# Allegro board 8880F5-0825_4.brd (continued)
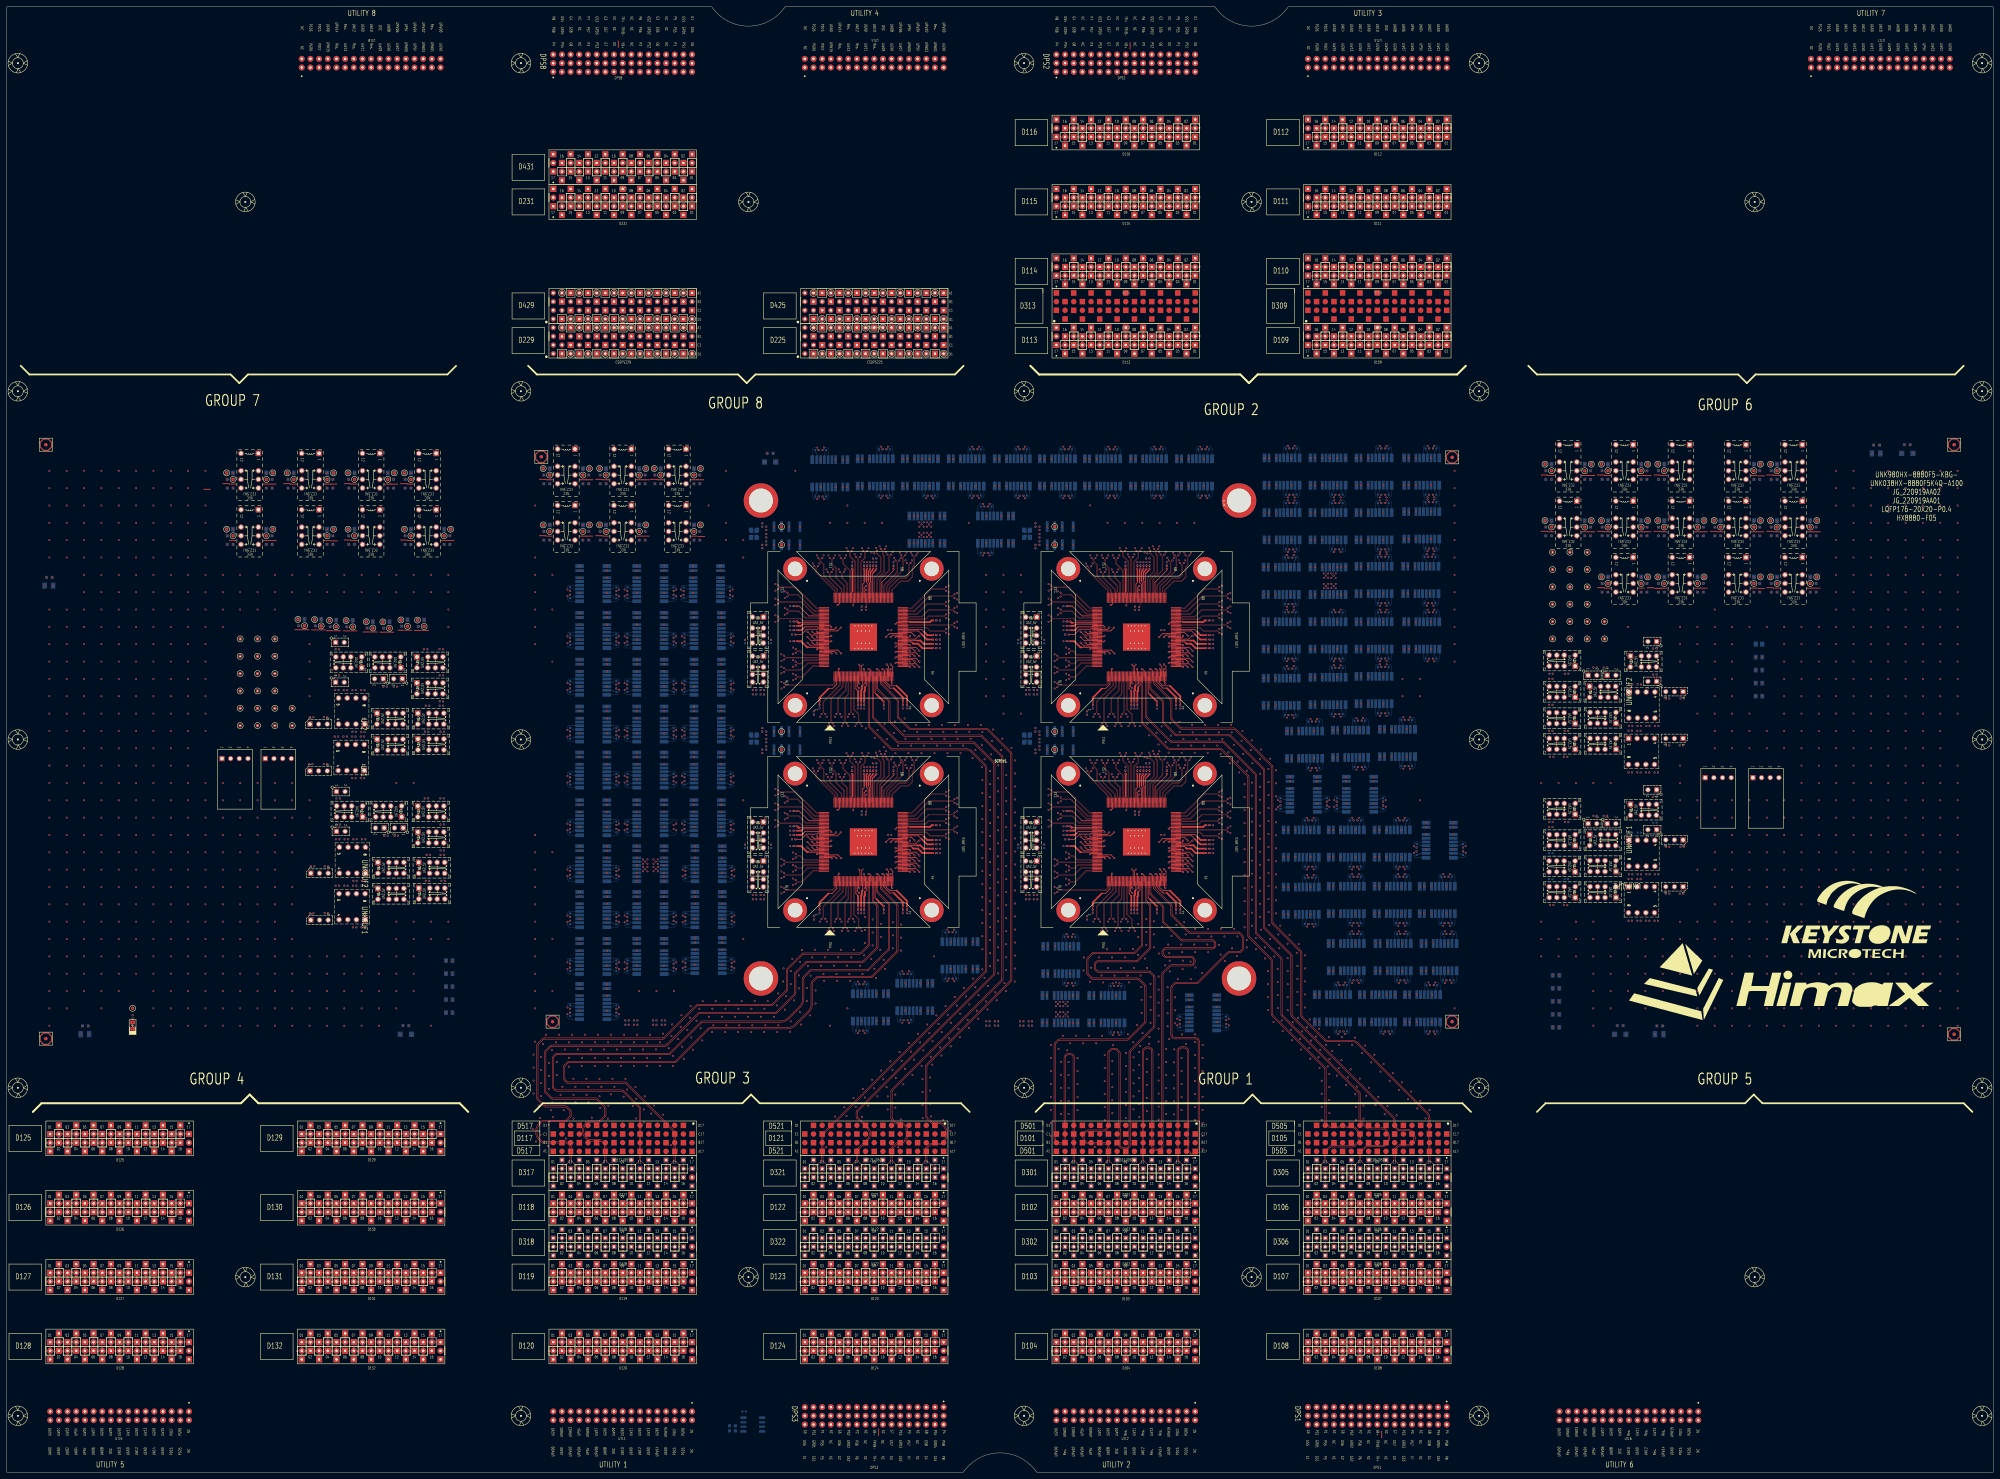
[diagram p0: board, top side]
## Routing (per net, layer and track width the routed paths; a pad name or vN(x,y) marks a point on that pad's centre or on a via; arc(x,y) is an arc through that point) (continued)
; D302.B3 311.71,68.58 ; D302.B3 312.42,67.87 ; SITE1.G10 251.33,248.41 ; SITE1.G10 251.81,247.93 ; SITE1.G10 250.85,247.93 ; SITE1.G10 251.33,247.45 ; D306.A8 398.78,66.75 ; D306.A8 399.49,66.04 ; D306.A8 398.07,66.04 ; D306.A8 398.78,65.33 ; D120.B5 170.99,38.1 ; D120.B5 170.18,38.91 ; D120.B5 169.37,38.1 ; D120.B5 170.18,37.29 ; D321.B16 272.49,91.44 ; D321.B16 271.07,91.44 ; D321.B16 271.78,92.15 ; D321.B16 271.78,90.73 ; D120.A12 187.96,36.37 ; D120.A12 187.15,35.56 ; D120.A12 188.77,35.56 ; D120.A12 187.96,34.75 ; 382.83,66.04 D306.A2 ; D306.A2 383.54,65.33 ; D306.A2 383.54,66.75 ; D306.A2 384.25,66.04 ; D124.B5 244.65,38.1 ; D124.B5 243.84,37.29 ; D124.B5 243.84,38.91 ; D124.B5 243.03,38.1 ; 406.4,18.24 DPS1.C11 ; DPS1.C11 405.59,19.05 ; DPS1.C11 406.4,19.86 ; DPS1.C11 407.21,19.05 ; 170.18,88.19 D317.B5 ; D317.B5 170.18,89.61 ; D317.B5 169.47,88.9 ; D317.B5 170.89,88.9 ; 388.62,70.41 D306.B4 ; D306.B4 388.62,71.83 ; D306.B4 387.91,71.12 ; D306.B4 389.33,71.12 ; DPS1.A01 381,14.78 ; DPS1.A01 381,13.16 ; DPS1.A01 380.19,13.97 ; DPS1.A01 381.81,13.97 ; DPS3.A05 243.84,14.78 ; DPS3.A05 243.84,13.16 ; DPS3.A05 244.65,13.97 ; DPS3.A05 243.03,13.97 ; 320.04,39.83 D104.B6 ; D104.B6 319.23,40.64 ; D104.B6 320.85,40.64 ; D104.B6 320.04,41.45 ; 320.04,331.93 D113.A12 ; D113.A12 320.04,333.55 ; D113.A12 319.23,332.74 ; D113.A12 320.85,332.74 ; D127.A6 25.4,56.69 ; D127.A6 25.4,55.07 ; D127.A6 26.21,55.88 ; D127.A6 24.59,55.88 ; 113.49,101.6 D129.B12 ; D129.B12 115.11,101.6 ; D129.B12 114.3,102.41 ; D129.B12 114.3,100.79 ; 255.83,91.44 D321.B10 ; D321.B10 256.54,92.15 ; D321.B10 257.25,91.44 ; D321.B10 256.54,90.73 ; 194.77,381 D431.B3 ; D431.B3 195.58,381.81 ; D431.B3 195.58,380.19 ; D431.B3 196.39,381 ; D119.A3 165.1,54.15 ; D119.A3 165.91,53.34 ; D119.A3 164.29,53.34 ; D119.A3 165.1,52.53 ; 396.24,334.47 D109.A11 ; D109.A11 396.24,336.09 ; D109.A11 395.43,335.28 ; D109.A11 397.05,335.28 ; D128.A16 50.8,36.37 ; D128.A16 51.61,35.56 ; D128.A16 49.99,35.56 ; D128.A16 50.8,34.75 ; D132.B4 93.98,41.45 ; D132.B4 93.17,40.64 ; D132.B4 94.79,40.64 ; D132.B4 93.98,39.83 ; 332.63,242.35 SITE2.G16 ; SITE2.G16 332.63,243.31 ; SITE2.G16 333.11,242.83 ; SITE2.G16 332.15,242.83 ; D120.B6 173.53,40.64 ; D120.B6 172.72,41.45 ; D120.B6 172.72,39.83 ; D120.B6 171.91,40.64 ; 161.75,378.46 D431.B16 ; D431.B16 163.37,378.46 ; D431.B16 162.56,377.65 ; D431.B16 162.56,379.27 ; 347.17,330.2 D113.B1 ; D113.B1 348.79,330.2 ; D113.B1 347.98,331.01 ; D113.B1 347.98,329.39 ; 263.35,38.1 D124.B13 ; D124.B13 264.16,37.29 ; D124.B13 264.16,38.91 ; D124.B13 264.97,38.1 ; D317.A13 191.21,83.82 ; D317.A13 189.79,83.82 ; D317.A13 190.5,83.11 ; D317.A13 190.5,84.53 ; D103.A7 322.58,54.15 ; D103.A7 322.58,52.53 ; D103.A7 321.77,53.34 ; D103.A7 323.39,53.34 ; D111.A2 419.1,374.19 ; D111.A2 419.91,373.38 ; D111.A2 418.29,373.38 ; D111.A2 419.1,372.57 ; 164.39,83.82 D317.A3 ; D317.A3 165.81,83.82 ; D317.A3 165.1,84.53 ; D317.A3 165.1,83.11 ; D231.A12 173.53,373.38 ; D231.A12 171.91,373.38 ; D231.A12 172.72,374.19 ; D231.A12 172.72,372.57 ; 248.92,32.21 D124.A7 ; D124.A7 248.11,33.02 ; D124.A7 249.73,33.02 ; D124.A7 248.92,33.83 ; D132.B11 112.57,38.1 ; D132.B11 111.76,37.29 ; D132.B11 111.76,38.91 ; D132.B11 110.95,38.1 ; D113.A15 312.42,336.09 ; D113.A15 313.23,335.28 ; D113.A15 312.42,334.47 ; D113.A15 311.61,335.28 ; D111.A16 384.35,373.38 ; D111.A16 382.73,373.38 ; D111.A16 383.54,372.57 ; D111.A16 383.54,374.19 ; D231.A4 193.04,374.19 ; D231.A4 192.23,373.38 ; D231.A4 193.85,373.38 ; D231.A4 193.04,372.57 ; 250.23,245.95 SITE1.G18 ; SITE1.G18 250.23,246.91 ; SITE1.G18 250.71,246.43 ; SITE1.G18 249.75,246.43 ; D125.A3 18.59,93.98 ; D125.A3 16.97,93.98 ; D125.A3 17.78,93.17 ; D125.A3 17.78,94.79 ; 169.47,83.82 D317.A5 ; D317.A5 170.89,83.82 ; D317.A5 170.18,83.11 ; D317.A5 170.18,84.53 ; D132.A8 104.14,36.37 ; D132.A8 103.33,35.56 ; D132.A8 104.95,35.56 ; D132.A8 104.14,34.75 ; SITE1.G11 252.81,247.93 ; SITE1.G11 251.85,247.93 ; SITE1.G11 252.33,247.45 ; SITE1.G11 252.33,248.41 ; 337.82,329.39 D113.B5 ; D113.B5 337.01,330.2 ; D113.B5 338.63,330.2 ; D113.B5 337.82,331.01 ; 268.43,340.36 CSDPS425.C3 ; CSDPS425.C3 269.24,339.55 ; CSDPS425.C3 270.05,340.36 ; CSDPS425.C3 269.24,341.17 ; 383.54,90.73 D305.B2 ; D305.B2 382.83,91.44 ; D305.B2 383.54,92.15 ; D305.B2 384.25,91.44 ; D231.A6 188.77,373.38 ; D231.A6 187.96,374.19 ; D231.A6 187.96,372.57 ; D231.A6 187.15,373.38 ; D103.B4 315.77,60.96 ; D103.B4 314.96,60.15 ; D103.B4 314.15,60.96 ; D103.B4 314.96,61.77 ; 193.04,65.33 D318.A14 ; D318.A14 193.75,66.04 ; D318.A14 192.33,66.04 ; D318.A14 193.04,66.75 ; D116.B4 341.17,388.62 ; D116.B4 340.36,387.81 ; D116.B4 339.55,388.62 ; D116.B4 340.36,389.43 ; 316.69,33.02 D104.A5 ; D104.A5 317.5,33.83 ; D104.A5 318.31,33.02 ; D104.A5 317.5,32.21 ; SITE2.G6 333.81,241.33 ; SITE2.G6 333.33,241.81 ; SITE2.G6 332.85,241.33 ; SITE2.G6 333.33,240.85 ; 337.01,58.42 D103.B13 ; D103.B13 338.63,58.42 ; D103.B13 337.82,57.61 ; D103.B13 337.82,59.23 ; CSDPS425.B8 257.35,342.9 ; CSDPS425.B8 255.73,342.9 ; CSDPS425.B8 256.54,342.09 ; CSDPS425.B8 256.54,343.71 ; D318.A4 167.64,66.75 ; D318.A4 168.35,66.04 ; D318.A4 167.64,65.33 ; D318.A4 166.93,66.04 ; 187.96,60.15 D119.B12 ; D119.B12 187.15,60.96 ; D119.B12 187.96,61.77 ; D119.B12 188.77,60.96 ; D126.B4 21.13,81.28 ; D126.B4 20.32,82.09 ; D126.B4 20.32,80.47 ; D126.B4 19.51,81.28 ; 314.25,66.04 D302.A4 ; D302.A4 314.96,65.33 ; D302.A4 315.67,66.04 ; D302.A4 314.96,66.75 ; 265.89,55.88 D123.A14 ; D123.A14 266.7,55.07 ; D123.A14 267.51,55.88 ; D123.A14 266.7,56.69 ; 50.8,60.15 D127.B16 ; D127.B16 51.61,60.96 ; D127.B16 49.99,60.96 ; D127.B16 50.8,61.77 ; 248.55,186.43 SITE3.G17 ; SITE3.G17 249.03,185.95 ; SITE3.G17 249.03,186.91 ; SITE3.G17 249.51,186.43 ; D109.A4 414.83,332.74 ; D109.A4 414.02,333.55 ; D109.A4 413.21,332.74 ; D109.A4 414.02,331.93 ; 342.19,68.58 D302.B15 ; D302.B15 343.61,68.58 ; D302.B15 342.9,67.87 ; D302.B15 342.9,69.29 ; 187.96,65.33 D318.A12 ; D318.A12 187.25,66.04 ; D318.A12 188.67,66.04 ; D318.A12 187.96,66.75 ; 253.19,58.42 D123.B9 ; D123.B9 254,57.61 ; D123.B9 254,59.23 ; D123.B9 254.81,58.42 ; D129.B5 97.33,99.06 ; D129.B5 95.71,99.06 ; D129.B5 96.52,99.87 ; D129.B5 96.52,98.25 ; 347.98,395.43 D116.A1 ; D116.A1 347.17,396.24 ; D116.A1 348.79,396.24 ; D116.A1 347.98,397.05 ; 108.41,60.96 D131.B10 ; D131.B10 110.03,60.96 ; D131.B10 109.22,61.77 ; D131.B10 109.22,60.15 ; D321.A9 254,84.53 ; D321.A9 254.71,83.82 ; D321.A9 254,83.11 ; D321.A9 253.29,83.82 ; 34.75,35.56 D128.A10 ; D128.A10 35.56,34.75 ; D128.A10 36.37,35.56 ; D128.A10 35.56,36.37 ; 184.61,370.84 D231.B7 ; D231.B7 186.23,370.84 ; D231.B7 185.42,371.65 ; D231.B7 185.42,370.03 ; D111.B5 412.29,370.84 ; D111.B5 411.48,371.65 ; D111.B5 411.48,370.03 ; D111.B5 410.67,370.84 ; D103.B14 340.36,61.77 ; D103.B14 341.17,60.96 ; D103.B14 340.36,60.15 ; D103.B14 339.55,60.96 ; D122.B5 244.65,78.74 ; D122.B5 243.84,79.55 ; D122.B5 243.84,77.93 ; D122.B5 243.03,78.74 ; 411.48,349.71 D110.B5 ; D110.B5 411.48,351.33 ; D110.B5 410.67,350.52 ; D110.B5 412.29,350.52 ; 12.7,52.53 D127.A1 ; D127.A1 11.89,53.34 ; D127.A1 13.51,53.34 ; D127.A1 12.7,54.15 ; D125.B15 49.07,99.06 ; D125.B15 47.45,99.06 ; D125.B15 48.26,98.25 ; D125.B15 48.26,99.87 ; D302.B7 323.29,68.58 ; D302.B7 322.58,69.29 ; D302.B7 322.58,67.87 ; D302.B7 321.87,68.58 ; D116.B15 312.42,391.97 ; D116.B15 313.23,391.16 ; D116.B15 312.42,390.35 ; D116.B15 311.61,391.16 ; 314.15,35.56 D104.A4 ; D104.A4 314.96,36.37 ; D104.A4 315.77,35.56 ; D104.A4 314.96,34.75 ; D129.A5 96.52,94.79 ; D129.A5 95.71,93.98 ; D129.A5 97.33,93.98 ; D129.A5 96.52,93.17 ; D124.B16 271.78,41.45 ; D124.B16 272.59,40.64 ; D124.B16 270.97,40.64 ; D124.B16 271.78,39.83 ; CSDPS225.B16 236.22,333.55 ; CSDPS225.B16 237.03,332.74 ; CSDPS225.B16 236.22,331.93 ; CSDPS225.B16 235.41,332.74 ; D305.B6 394.41,91.44 ; D305.B6 393.7,90.73 ; D305.B6 393.7,92.15 ; D305.B6 392.99,91.44 ; D119.A11 186.23,53.34 ; D119.A11 184.61,53.34 ; D119.A11 185.42,54.15 ; D119.A11 185.42,52.53 ; 99.06,75.39 D130.A6 ; D130.A6 98.25,76.2 ; D130.A6 99.06,77.01 ; D130.A6 99.87,76.2 ; 331.33,180.85 SITE4.G4 ; SITE4.G4 330.85,181.33 ; SITE4.G4 331.33,181.81 ; SITE4.G4 331.81,181.33 ; D111.B15 386.89,370.84 ; D111.B15 386.08,371.65 ; D111.B15 386.08,370.03 ; D111.B15 385.27,370.84 ; D114.B3 343.71,350.52 ; D114.B3 342.9,349.71 ; D114.B3 342.9,351.33 ; D114.B3 342.09,350.52 ; 261.62,75.39 D122.A12 ; D122.A12 261.62,77.01 ; D122.A12 260.81,76.2 ; D122.A12 262.43,76.2 ; D124.A5 243.84,33.83 ; D124.A5 244.65,33.02 ; D124.A5 243.03,33.02 ; D124.A5 243.84,32.21 ; D128.A14 45.72,36.37 ; D128.A14 45.72,34.75 ; D128.A14 44.91,35.56 ; D128.A14 46.53,35.56 ; D318.B14 193.04,71.83 ; D318.B14 192.33,71.12 ; D318.B14 193.75,71.12 ; D318.B14 193.04,70.41 ; 88.09,101.6 D129.B2 ; D129.B2 89.71,101.6 ; D129.B2 88.9,100.79 ; D129.B2 88.9,102.41 ; 235.41,55.88 D123.A2 ; D123.A2 237.03,55.88 ; D123.A2 236.22,56.69 ; D123.A2 236.22,55.07 ; D113.B14 314.96,328.47 ; D113.B14 314.96,326.85 ; D113.B14 315.77,327.66 ; D113.B14 314.15,327.66 ; 116.03,53.34 D131.A13 ; D131.A13 117.65,53.34 ; D131.A13 116.84,54.15 ; D131.A13 116.84,52.53 ; 241.3,342.09 CSDPS425.B14 ; CSDPS425.B14 242.11,342.9 ; CSDPS425.B14 241.3,343.71 ; CSDPS425.B14 240.49,342.9 ; CSDPS425.C13 244.65,340.36 ; CSDPS425.C13 243.84,341.17 ; CSDPS425.C13 243.03,340.36 ; CSDPS425.C13 243.84,339.55 ; 345.44,85.65 D301.A16 ; D301.A16 344.73,86.36 ; D301.A16 345.44,87.07 ; D301.A16 346.15,86.36 ; D111.A8 404.67,373.38 ; D111.A8 403.86,372.57 ; D111.A8 403.05,373.38 ; D111.A8 403.86,374.19 ; D127.B7 27.94,59.23 ; D127.B7 27.94,57.61 ; D127.B7 28.75,58.42 ; D127.B7 27.13,58.42 ; 345.44,55.07 D103.A16 ; D103.A16 344.63,55.88 ; D103.A16 346.25,55.88 ; D103.A16 345.44,56.69 ; 403.86,387.81 D112.B8 ; D112.B8 403.86,389.43 ; D112.B8 404.67,388.62 ; D112.B8 403.05,388.62 ; D104.B12 335.28,41.45 ; D104.B12 334.47,40.64 ; D104.B12 336.09,40.64 ; D104.B12 335.28,39.83 ; D131.B7 102.41,58.42 ; D131.B7 100.79,58.42 ; D131.B7 101.6,57.61 ; D131.B7 101.6,59.23 ; D131.A5 97.33,53.34 ; D131.A5 95.71,53.34 ; D131.A5 96.52,52.53 ; D131.A5 96.52,54.15 ; D108.B14 414.83,40.64 ; D108.B14 413.21,40.64 ; D108.B14 414.02,41.45 ; D108.B14 414.02,39.83 ; D127.B6 26.21,60.96 ; D127.B6 25.4,61.77 ; D127.B6 24.59,60.96 ; D127.B6 25.4,60.15 ; 161.85,91.44 D317.B2 ; D317.B2 163.27,91.44 ; D317.B2 162.56,90.73 ; D317.B2 162.56,92.15 ; D131.B16 124.46,61.77 ; D131.B16 124.46,60.15 ; D131.B16 123.65,60.96 ; D131.B16 125.27,60.96 ; D126.B8 30.48,82.09 ; D126.B8 31.29,81.28 ; D126.B8 29.67,81.28 ; D126.B8 30.48,80.47 ; D322.B8 251.46,71.83 ; D322.B8 251.46,70.41 ; D322.B8 250.75,71.12 ; D322.B8 252.17,71.12 ; D301.B6 320.04,92.15 ; D301.B6 320.75,91.44 ; D301.B6 320.04,90.73 ; D301.B6 319.33,91.44 ; 189.69,410.21 DPS8.C05 ; DPS8.C05 191.31,410.21 ; DPS8.C05 190.5,411.02 ; DPS8.C05 190.5,409.4 ; D110.A7 407.21,355.6 ; D110.A7 406.4,356.41 ; D110.A7 406.4,354.79 ; D110.A7 405.59,355.6 ; CSDPS429.C1 201.47,340.36 ; CSDPS429.C1 200.66,339.55 ; CSDPS429.C1 199.85,340.36 ; CSDPS429.C1 200.66,341.17 ; D127.B8 30.48,61.77 ; D127.B8 31.29,60.96 ; D127.B8 30.48,60.15 ; D127.B8 29.67,60.96 ; 331.93,330.2 D113.B7 ; D113.B7 333.55,330.2 ; D113.B7 332.74,331.01 ; D113.B7 332.74,329.39 ; 190.5,77.93 D118.B13 ; D118.B13 190.5,79.55 ; D118.B13 191.31,78.74 ; D118.B13 189.69,78.74 ; CSDPS429.B12 173.53,342.9 ; CSDPS429.B12 171.91,342.9 ; CSDPS429.B12 172.72,342.09 ; CSDPS429.B12 172.72,343.71 ; D125.A11 38.1,94.79 ; D125.A11 38.1,93.17 ; D125.A11 37.29,93.98 ; D125.A11 38.91,93.98 ; D132.A1 86.36,33.83 ; D132.A1 86.36,32.21 ; D132.A1 87.17,33.02 ; D132.A1 85.55,33.02 ; 383.54,352.25 D110.A16 ; D110.A16 382.73,353.06 ; D110.A16 384.35,353.06 ; D110.A16 383.54,353.87 ; 121.11,73.66 D130.A15 ; D130.A15 122.73,73.66 ; D130.A15 121.92,72.85 ; D130.A15 121.92,74.47 ; 317.5,57.61 D103.B5 ; D103.B5 318.31,58.42 ; D103.B5 316.69,58.42 ; D103.B5 317.5,59.23 ; 236.22,75.39 D122.A2 ; D122.A2 235.41,76.2 ; D122.A2 237.03,76.2 ; D122.A2 236.22,77.01 ; D322.B12 262.33,71.12 ; D322.B12 261.62,71.83 ; D322.B12 260.91,71.12 ; D322.B12 261.62,70.41 ; 172.72,70.41 D318.B6 ; D318.B6 172.01,71.12 ; D318.B6 173.43,71.12 ; D318.B6 172.72,71.83 ; 406.4,32.21 D108.A11 ; D108.A11 406.4,33.83 ; D108.A11 407.21,33.02 ; D108.A11 405.59,33.02 ; 50.8,100.79 D125.B16 ; D125.B16 50.8,102.41 ; D125.B16 51.61,101.6 ; D125.B16 49.99,101.6 ; 309.07,40.64 D104.B2 ; D104.B2 309.88,39.83 ; D104.B2 310.69,40.64 ; D104.B2 309.88,41.45 ; SITE1.G19 251.91,246.43 ; SITE1.G19 251.43,245.95 ; SITE1.G19 250.95,246.43 ; SITE1.G19 251.43,246.91 ; D305.A8 399.49,86.36 ; D305.A8 398.07,86.36 ; D305.A8 398.78,85.65 ; D305.A8 398.78,87.07 ; 22.86,72.85 D126.A5 ; D126.A5 23.67,73.66 ; D126.A5 22.05,73.66 ; D126.A5 22.86,74.47 ; D131.B13 116.84,59.23 ; D131.B13 116.03,58.42 ; D131.B13 116.84,57.61 ; D131.B13 117.65,58.42 ; D131.A12 115.11,55.88 ; D131.A12 113.49,55.88 ; D131.A12 114.3,56.69 ; D131.A12 114.3,55.07 ; D431.B8 182.88,379.27 ; D431.B8 182.88,377.65 ; D431.B8 182.07,378.46 ; D431.B8 183.69,378.46 ; 19.51,55.88 D127.A4 ; D127.A4 21.13,55.88 ; D127.A4 20.32,56.69 ; D127.A4 20.32,55.07 ; 38.1,32.21 D128.A11 ; D128.A11 38.1,33.83 ; D128.A11 37.29,33.02 ; D128.A11 38.91,33.02 ; 164.29,381 D431.B15 ; D431.B15 165.91,381 ; D431.B15 165.1,381.81 ; D431.B15 165.1,380.19 ; 93.17,81.28 D130.B4 ; D130.B4 93.98,82.09 ; D130.B4 94.79,81.28 ; D130.B4 93.98,80.47 ; 187.96,70.41 D318.B12 ; D318.B12 187.25,71.12 ; D318.B12 187.96,71.83 ; D318.B12 188.67,71.12 ; 418.39,66.04 D306.A16 ; D306.A16 419.1,66.75 ; D306.A16 419.1,65.33 ; D306.A16 419.81,66.04 ; D131.A11 112.57,53.34 ; D131.A11 111.76,52.53 ; D131.A11 110.95,53.34 ; D131.A11 111.76,54.15 ; 182.07,368.3 D231.B8 ; D231.B8 182.88,369.11 ; D231.B8 182.88,367.49 ; D231.B8 183.69,368.3 ; D321.A10 256.54,87.07 ; D321.A10 256.54,85.65 ; D321.A10 257.25,86.36 ; D321.A10 255.83,86.36 ; 187.96,342.09 CSDPS429.B6 ; CSDPS429.B6 187.96,343.71 ; CSDPS429.B6 187.15,342.9 ; CSDPS429.B6 188.77,342.9 ; 197.31,342.9 CSDPS429.B2 ; CSDPS429.B2 198.93,342.9 ; CSDPS429.B2 198.12,343.71 ; CSDPS429.B2 198.12,342.09 ; D131.B3 91.44,59.23 ; D131.B3 92.25,58.42 ; D131.B3 91.44,57.61 ; D131.B3 90.63,58.42 ; 251.46,342.09 CSDPS425.B10 ; CSDPS425.B10 252.27,342.9 ; CSDPS425.B10 250.65,342.9 ; CSDPS425.B10 251.46,343.71 ; D109.B5 412.29,330.2 ; D109.B5 411.48,329.39 ; D109.B5 410.67,330.2 ; D109.B5 411.48,331.01 ; 387.91,91.44 D305.B4 ; D305.B4 388.62,90.73 ; D305.B4 389.33,91.44 ; D305.B4 388.62,92.15 ; 317.5,354.79 D114.A13 ; D114.A13 316.69,355.6 ; D114.A13 318.31,355.6 ; D114.A13 317.5,356.41 ; 232.97,63.5 D322.A1 ; D322.A1 233.68,64.21 ; D322.A1 233.68,62.79 ; D322.A1 234.39,63.5 ; 332.15,246.43 SITE2.G20 ; SITE2.G20 333.11,246.43 ; SITE2.G20 332.63,245.95 ; SITE2.G20 332.63,246.91 ; 252.85,241.33 SITE1.G6 ; SITE1.G6 253.81,241.33 ; SITE1.G6 253.33,240.85 ; SITE1.G6 253.33,241.81 ; D120.B8 178.61,40.64 ; D120.B8 176.99,40.64 ; D120.B8 177.8,41.45 ; D120.B8 177.8,39.83 ; SITE2.G3 330.81,241.33 ; SITE2.G3 330.33,240.85 ; SITE2.G3 329.85,241.33 ; SITE2.G3 330.33,241.81 ; 381,57.61 D107.B1 ; D107.B1 380.19,58.42 ; D107.B1 381,59.23 ; D107.B1 381.81,58.42 ; 331.93,78.74 D102.B11 ; D102.B11 333.55,78.74 ; D102.B11 332.74,79.55 ; D102.B11 332.74,77.93 ; D302.A6 320.04,66.75 ; D302.A6 320.04,65.33 ; D302.A6 319.33,66.04 ; D302.A6 320.75,66.04 ; D231.B1 201.47,370.84 ; D231.B1 200.66,371.65 ; D231.B1 199.85,370.84 ; D231.B1 200.66,370.03 ; 328.55,186.43 SITE4.G17 ; SITE4.G17 329.03,185.95 ; SITE4.G17 329.03,186.91 ; SITE4.G17 329.51,186.43 ; D103.A4 314.96,56.69 ; D103.A4 314.15,55.88 ; D103.A4 315.77,55.88 ; D103.A4 314.96,55.07 ; D130.B16 124.46,82.09 ; D130.B16 124.46,80.47 ; D130.B16 125.27,81.28 ; D130.B16 123.65,81.28 ; 342.9,32.21 D104.A15 ; D104.A15 342.09,33.02 ; D104.A15 342.9,33.83 ; D104.A15 343.71,33.02 ; 47.45,38.1 D128.B15 ; D128.B15 48.26,38.91 ; D128.B15 49.07,38.1 ; D128.B15 48.26,37.29 ; 344.73,71.12 D302.B16 ; D302.B16 346.15,71.12 ; D302.B16 345.44,70.41 ; D302.B16 345.44,71.83 ; SITE3.G4 251.33,181.81 ; SITE3.G4 251.33,180.85 ; SITE3.G4 251.81,181.33 ; SITE3.G4 250.85,181.33 ; D124.A15 269.24,33.83 ; D124.A15 269.24,32.21 ; D124.A15 270.05,33.02 ; D124.A15 268.43,33.02 ; D301.A10 330.2,87.07 ; D301.A10 330.2,85.65 ; D301.A10 330.91,86.36 ; D301.A10 329.49,86.36 ; 85.55,58.42 D131.B1 ; D131.B1 87.17,58.42 ; D131.B1 86.36,59.23 ; D131.B1 86.36,57.61 ; D118.A15 196.39,73.66 ; D118.A15 194.77,73.66 ; D118.A15 195.58,72.85 ; D118.A15 195.58,74.47 ; 199.85,410.21 DPS8.C01 ; DPS8.C01 200.66,411.02 ; DPS8.C01 201.47,410.21 ; DPS8.C01 200.66,409.4 ; D132.A13 116.84,33.83 ; D132.A13 117.65,33.02 ; D132.A13 116.84,32.21 ; D132.A13 116.03,33.02 ; D305.A10 404.57,86.36 ; D305.A10 403.15,86.36 ; D305.A10 403.86,87.07 ; D305.A10 403.86,85.65 ; 251.46,34.75 D124.A8 ; D124.A8 251.46,36.37 ; D124.A8 250.65,35.56 ; D124.A8 252.27,35.56 ; 416.56,13.16 DPS1.A15 ; DPS1.A15 417.37,13.97 ; DPS1.A15 415.75,13.97 ; DPS1.A15 416.56,14.78 ; 382.83,71.12 D306.B2 ; D306.B2 383.54,71.83 ; D306.B2 384.25,71.12 ; D306.B2 383.54,70.41 ; D322.B7 249.63,68.58 ; D322.B7 248.92,67.87 ; D322.B7 248.92,69.29 ; D322.B7 248.21,68.58 ; 243.84,57.61 D123.B5 ; D123.B5 244.65,58.42 ; D123.B5 243.03,58.42 ; D123.B5 243.84,59.23 ; 326.95,83.82 D301.A9 ; D301.A9 327.66,83.11 ; D301.A9 327.66,84.53 ; D301.A9 328.37,83.82 ; D107.A1 381.81,53.34 ; D107.A1 381,54.15 ; D107.A1 381,52.53 ; D107.A1 380.19,53.34 ; 401.32,62.79 D306.A9 ; D306.A9 401.32,64.21 ; D306.A9 400.61,63.5 ; D306.A9 402.03,63.5 ; D126.A14 46.53,76.2 ; D126.A14 45.72,75.39 ; D126.A14 45.72,77.01 ; D126.A14 44.91,76.2 ; DPS8.A01 200.66,416.1 ; DPS8.A01 200.66,414.48 ; DPS8.A01 201.47,415.29 ; DPS8.A01 199.85,415.29 ; 105.87,78.74 D130.B9 ; D130.B9 106.68,79.55 ; D130.B9 106.68,77.93 ; D130.B9 107.49,78.74 ; D111.A12 394.51,373.38 ; D111.A12 393.7,372.57 ; D111.A12 392.89,373.38 ; D111.A12 393.7,374.19 ; D107.B14 414.02,61.77 ; D107.B14 414.02,60.15 ; D107.B14 413.21,60.96 ; D107.B14 414.83,60.96 ; 161.75,342.9 CSDPS429.B16 ; CSDPS429.B16 162.56,342.09 ; CSDPS429.B16 163.37,342.9 ; CSDPS429.B16 162.56,343.71 ; 330.2,367.49 D115.B8 ; D115.B8 331.01,368.3 ; D115.B8 330.2,369.11 ; D115.B8 329.39,368.3 ; 29.67,101.6 D125.B8 ; D125.B8 31.29,101.6 ; D125.B8 30.48,100.79 ; D125.B8 30.48,102.41 ; D103.B9 328.47,58.42 ; D103.B9 327.66,59.23 ; D103.B9 326.85,58.42 ; D103.B9 327.66,57.61 ; D131.A3 91.44,54.15 ; D131.A3 91.44,52.53 ; D131.A3 90.63,53.34 ; D131.A3 92.25,53.34 ; 337.82,62.79 D302.A13 ; D302.A13 338.53,63.5 ; D302.A13 337.11,63.5 ; D302.A13 337.82,64.21 ; 383.54,55.07 D107.A2 ; D107.A2 383.54,56.69 ; D107.A2 384.35,55.88 ; D107.A2 382.73,55.88 ; CSDPS229.B14 167.64,333.55 ; CSDPS229.B14 166.83,332.74 ; CSDPS229.B14 167.64,331.93 ; CSDPS229.B14 168.45,332.74 ; 256.54,55.07 D123.A10 ; D123.A10 257.35,55.88 ; D123.A10 256.54,56.69 ; D123.A10 255.73,55.88 ; D114.B6 336.09,347.98 ; D114.B6 335.28,348.79 ; D114.B6 334.47,347.98 ; D114.B6 335.28,347.17 ; D104.A2 310.69,35.56 ; D104.A2 309.07,35.56 ; D104.A2 309.88,34.75 ; D104.A2 309.88,36.37 ; 329.39,40.64 D104.B10 ; D104.B10 330.2,39.83 ; D104.B10 331.01,40.64 ; D104.B10 330.2,41.45 ; 312.42,354.79 D114.A15 ; D114.A15 313.23,355.6 ; D114.A15 311.61,355.6 ; D114.A15 312.42,356.41 ; D126.B6 25.4,82.09 ; D126.B6 26.21,81.28 ; D126.B6 25.4,80.47 ; D126.B6 24.59,81.28 ; 405.59,396.24 D112.A7 ; D112.A7 406.4,395.43 ; D112.A7 407.21,396.24 ; D112.A7 406.4,397.05 ; 259.08,72.85 D122.A11 ; D122.A11 258.27,73.66 ; D122.A11 259.89,73.66 ; D122.A11 259.08,74.47 ; D113.A16 310.69,332.74 ; D113.A16 309.07,332.74 ; D113.A16 309.88,333.55 ; D113.A16 309.88,331.93 ; SITE3.G13 249.03,183.31 ; SITE3.G13 249.03,182.35 ; SITE3.G13 248.55,182.83 ; SITE3.G13 249.51,182.83 ; D107.B8 399.59,60.96 ; D107.B8 397.97,60.96 ; D107.B8 398.78,60.15 ; D107.B8 398.78,61.77 ; 391.16,67.87 D306.B5 ; D306.B5 390.45,68.58 ; D306.B5 391.16,69.29 ; D306.B5 391.87,68.58 ; 332.33,240.85 SITE2.G5 ; SITE2.G5 332.81,241.33 ; SITE2.G5 331.85,241.33 ; SITE2.G5 332.33,241.81 ; D305.A13 411.48,84.53